# KiCad board Pico-ButtonBoard-v1.kicad_pcb (continued)
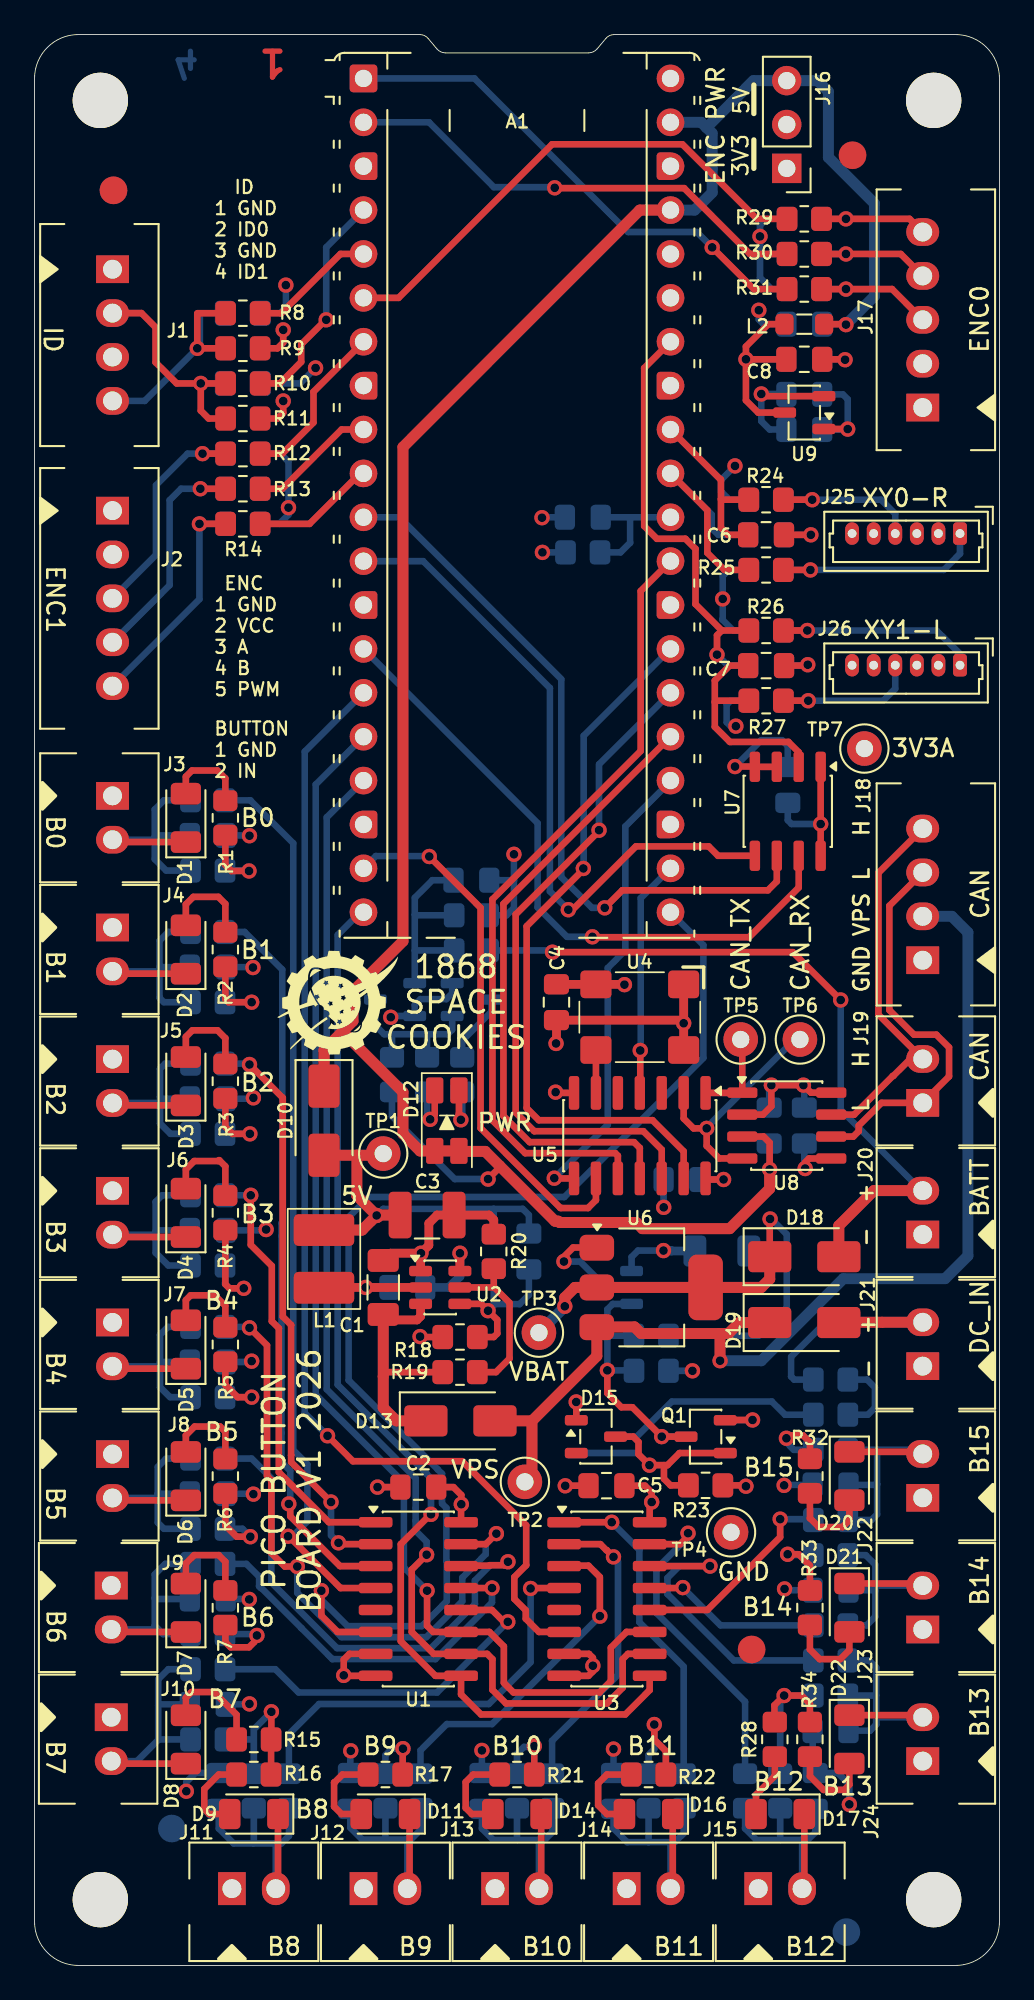
[diagram p0: board, top side]
## Library data of the parts (continued)
R1-R7 R9 R11 R15-R17 R21 R22 R28 R32-R37 R39 R42 R46 R55 R56 R58 R62 R63 R66 R68 R73 R75 R77 R79 R81 R83 R85 R87 = -: Description: Resistor, US symbol; MFG: YAGEO; MFG P/N: RC0805FR-071K5L; DIST: Digikey; DIST P/N: 311-1.50KCRCT-ND; ki_fp_filters: R_*
R8 R10 R38 R40 R41 R51 R52 R57 R64 R65 R67 R72 R74 R76 R78 R80 R82 R84 R86 = -: Description: Resistor, US symbol; MFG: Vishay Dale; MFG P/N: CRCW080510K0FKEA; DIST: Digikey; DIST P/N: 541-10.0KCCT-ND; ki_fp_filters: R_*
R12-R14 R24-R27 R29-R31 = -: Description: Resistor, US symbol; MFG: Stackpole; MFG P/N: RMCF0805FT49R9; DIST: Digikey; DIST P/N: RMCF0805FT49R9CT-ND; ki_fp_filters: R_*
R18 = -: Description: Resistor, US symbol; MFG: TE Connectivity Passive Product; MFG P/N: CRG0805F13K; DIST: Digikey; DIST P/N: A126339CT-ND; ki_fp_filters: R_*
R19 R47-R50 R59-R61 = -: Description: Resistor, US symbol; MFG: YAGEO; MFG P/N: RC0805FR-07100KL; DIST: Digikey; DIST P/N: 311-100KCRCT-ND; ki_fp_filters: R_*
R20 R23 R43-R45 R53 R54 R69-R71 = -: Description: Resistor, US symbol; MFG: Panasonic; MFG P/N: ERJ-6ENF2002V; DIST: Digikey; DIST P/N: P20.0KCCT-ND; ki_fp_filters: R_*
TP1-TP7 = -: Description: test point; ki_fp_filters: Pin* Test*
U1 U3 = -: Datasheet: Components/TexasInstruments-sn74hc151.pdf; Description: Multiplexer 8 to 1; MFG: Texas Instruments; DIST: Digikey; DIST P/N: 296-14834-1-ND; ki_fp_filters: DIP?16*
U2 = -: Datasheet: Components/TexasInstruments-tps54202.pdf; Description: 2A, 4.5 to 28V Input, EMI Friendly integrated switch synchronous step-down regulator, pulse-skipping, SOT-23-6; MFG: Texas Instruments; MFG P/N: TPS54202DDCT; DIST: Digikey; DIST P/N: 296-44151-1-ND; ki_fp_filters: SOT?23*
U4 = -: Datasheet: Components/Wurth-Oscillator-831018041.pdf; Description: XTAL OSC XO  4.0000MHZ HCMOS; MFG: Würth Elektronik; MFG P/N: 831018041; DIST: Digikey; DIST P/N: 1923-831018041CT-ND
U5 = -: Datasheet: Components/Microchip-MCP2518.pdf; Description: CAN FD Controller with SPI Interface, up to 8 Mbps, Vdd 2.7..5.5V,  functional safety ready, VDFN-14; MFG: Microchip; DIST: Digikey; DIST P/N: MCP2518FDT-H/SLCT-ND; ki_fp_filters: DFN*1EP*3x4.5mm*P0.65mm*
U6 = -: Datasheet: Components/infineon-its41k0s-me-n-01092012s-ds-en.pdf; Description: Power Switch/Driver 1:1 N-Channel 200mA PG-SOT223-4; MFG: Infineon; MFG P/N: ITS41K0SMENHUMA1; DIST: Digikey; DIST P/N: ITS41K0SMENHUMA1CT-ND
U7 = -: Datasheet: Components/Microchip-MCP3201.pdf; Description: 2.7V 12-Bit A/D Converter with SPI™ Serial Interface, PDIP-8/SOIC-8/MSOP-8/TSSOP-8; MFG: Microchip; DIST: Digikey; DIST P/N: MCP3201T-CI/SNCT-ND; ki_fp_filters: SOIC*3.9x4.9mm*P1.27mm* DIP*W7.62mm* TSSOP*4.4x3mm*P0.65mm* MSOP*3x3mm*P0.65mm*
U8 = -: Datasheet: Components/Microchip-MCP2558FD.pdf; Description: 1/1 Transceiver CANbus 8-SOIC; MFG: Microchip; MFG P/N: MCP2558FD-H/SN; DIST: Digikey; DIST P/N: MCP2558FD-H/SN-ND
U9 = -: Datasheet: Components/Microchip-MCP1700.pdf; Description: 250mA Low Quiscent Current LDO, 3.0V output, SOT-23; MFG: Microchip; DIST: Digikey; DIST P/N: MCP1700T3302ETTCT-ND; ki_fp_filters: SOT?23*

## Footprints (pads in the part's own frame, mm; a bottom-side part is the same pattern mirrored in y, then rotated)
Broadcom-HSMF-C158-LED
  rrect 1.5x1 smd: 1(-1.75,0.7) 2(1.75,0.7) 3(-1.75,-0.7) 4(1.75,-0.7)
C_0805_2012Metric_Pad1.18x1.45mm_HandSolder
  rrect 1.175x1.45 smd: 1(-1.038,0) 2(1.038,0)
C_1206_3216Metric_Pad1.33x1.80mm_HandSolder
  rrect 1.325x1.8 smd: 1(-1.562,0) 2(1.562,0)
C_1210_3225Metric_Pad1.33x2.70mm_HandSolder
  rrect 1.325x2.7 smd: 1(-1.562,0) 2(1.562,0)
Cyntec-MS6-Inductor
  rrect 1.84x3.5 smd: 1(-1.67,0) 2(1.67,0)
D_SMA
  rrect 2.5x1.8 smd: 1(-2,0) 2(2,0)
Fiducial_1.6mm_Mask3mm
  round 1.6 smd: (0,0)
L_0805_2012Metric_Pad1.05x1.20mm_HandSolder
  rrect 1.05x1.2 smd: 1(-1.15,0) 2(1.15,0)
LED_1206_3216Metric
  rrect 1.25x1.75 smd: 1(-1.4,0) 2(1.4,0)
Molex-70543-0001
  rect 1.6x1.905 hole 1.092: 1(0,0)
  oval 1.6x1.905 hole 1.092: 2(2.54,0)
Molex-70543-0003
  rect 1.6x1.905 hole 1.092: 1(0,0)
  oval 1.6x1.905 hole 1.092: 2(-2.54,0) 3(-5.08,0) 4(-7.62,0)
Molex-70543-0039
  rect 1.6x1.905 hole 1.092: 1(0,0)
  oval 1.6x1.905 hole 1.092: 2(-2.54,0) 3(-5.08,0) 4(-7.62,0) 5(-10.16,0)
Molex_PicoBlade_53047-0610_1x06_P1.25mm_Vertical
  rrect 0.8x1.3 hole 0.508: 1(0,0)
  oval 0.8x1.3 hole 0.508: 2(1.25,0) 3(2.5,0) 4(3.75,0) 5(5,0) 6(6.25,0)
MountingHole_3.2mm_M3
  round 3.2 hole 3.2 unplated: (0,0)
PinHeader_1x03_P2.54mm_Vertical
  rect 1.7x1.7 hole 1: 1(0,0)
  round 1.7 hole 1: 2(0,-2.54) 3(0,-5.08)
R_0805_2012Metric_Pad1.20x1.40mm_HandSolder
  rrect 1.2x1.4 smd: 1(-1,0) 2(1,0)
RaspberryPi_Pico_Common_Unspecified
  rrect 1.6x1.6 hole 1: 1(-8.89,24.13)
  round 1.6 hole 1: 2(-8.89,21.59) 4(-8.89,16.51) 5(-8.89,13.97) 6(-8.89,11.43) 7(-8.89,8.89) 9(-8.89,3.81) 10(-8.89,1.27) 11(-8.89,-1.27) 12(-8.89,-3.81) 14(-8.89,-8.89) 15(-8.89,-11.43) 16(-8.89,-13.97) 17(-8.89,-16.51) 19(-8.89,-21.59) 20(-8.89,-24.13) 21(8.89,-24.13) 22(8.89,-21.59) 24(8.89,-16.51) 25(8.89,-13.97) 26(8.89,-11.43) 27(8.89,-8.89) 29(8.89,-3.81) 30(8.89,-1.27) 31(8.89,1.27) 32(8.89,3.81) 34(8.89,8.89) 35(8.89,11.43) 36(8.89,13.97) 37(8.89,16.51) 39(8.89,21.59) 40(8.89,24.13)
  custom 1.6x1.6 hole 1: 3(-8.89,19.05) 8(-8.89,6.35) 13(-8.89,-6.35) 18(-8.89,-19.05) 23(8.89,-19.05) 28(8.89,-6.35) 33(8.89,6.35) 38(8.89,19.05)
SO-8_3.9x4.9mm_P1.27mm
  rrect 1.75x0.6 smd: 1(-2.575,1.905) 2(-2.575,0.635) 3(-2.575,-0.635) 4(-2.575,-1.905) 5(2.575,-1.905) 6(2.575,-0.635) 7(2.575,0.635) 8(2.575,1.905)
SO-14_3.9x8.65mm_P1.27mm
  rrect 1.95x0.6 smd: 1(-2.475,3.81) 2(-2.475,2.54) 3(-2.475,1.27) 4(-2.475,0) 5(-2.475,-1.27) 6(-2.475,-2.54) 7(-2.475,-3.81) 8(2.475,-3.81) 9(2.475,-2.54) 10(2.475,-1.27) 11(2.475,0) 12(2.475,1.27) 13(2.475,2.54) 14(2.475,3.81)
SOIC-16_3.9x9.9mm_P1.27mm
  rrect 1.95x0.6 smd: 1(-2.475,4.445) 2(-2.475,3.175) 3(-2.475,1.905) 4(-2.475,0.635) 5(-2.475,-0.635) 6(-2.475,-1.905) 7(-2.475,-3.175) 8(-2.475,-4.445) 9(2.475,-4.445) 10(2.475,-3.175) 11(2.475,-1.905) 12(2.475,-0.635) 13(2.475,0.635) 14(2.475,1.905) 15(2.475,3.175) 16(2.475,4.445)
SOT-23-3
  rrect 1.325x0.6 smd: 1(-1.137,0.95) 2(-1.137,-0.95) 3(1.137,0)
SOT-23-6
  rrect 1.325x0.6 smd: 1(-1.137,0.95) 2(-1.137,0) 3(-1.137,-0.95) 4(1.137,-0.95) 5(1.137,0) 6(1.137,0.95)
SOT-223-3_TabPin2
  rrect 2x1.5 smd: 1(-3.15,2.3) 2(-3.15,0) 3(-3.15,-2.3)
  rrect 2x3.8 smd: 2(3.15,0)
TestPoint_Keystone_5000-5004_Miniature
  round 2 hole 1: 1(0,0)
Wurth-CFPS-73
  rrect 1.8x1.6 smd: 1(-2.54,-1.9) 2(2.54,-1.9) 3(2.54,1.9) 4(-2.54,1.9)

## Nets
+3V3: A1.36 C2.1 C4.1 C5.1 C17.1 C23.1 J16.1 R1.1 R2.1 R3.1 R4.1 R5.1 R6.1 R7.1 R9.1 R11.1 R15.1 R16.1 R17.1 R21.1 R22.1 R28.1 R32.1 R33.1 R34.1 R37.1 R39.1 R42.1 R46.1 R55.1 R56.1 R58.1 R66.1 R68.1 R73.1 R75.1 R77.1 R79.1 R81.1 R83.1 R85.1 R87.1 U1.16 U3.16 U4.1 U4.4 U5.14 U8.5
+3V3A: A1.35 C15.1 C16.1 C18.1 J25.2 J25.5 J26.2 J26.5 TP7.1 U7.1 U7.8 U9.2
+5V: A1.37 A1.39 C13.1 C19.1 D10.1 D12.1 D12.3 J16.3 L2.1 R65.2 U8.3
/Power Supply/5V_PS: C3.1 C26.1 D10.2 L1.2 R59.1 TP1.1
GND: A1.3 A1.8 A1.13 A1.18 A1.23 A1.28 A1.33 A1.38 C1.2 C2.2 C3.2 C4.2 C5.2 C6.2 C7.2 C8.2 C9.2 C10.2 C11.2 C12.2 C13.2 C14.2 C15.2 C16.2 C17.2 C18.2 C19.2 C20.2 C21.2 C22.2 C23.2 C24.2 C25.2 C27.2 C28.2 C30.2 C31.2 C32.2 C33.2 C34.2 C35.2 C36.2 C37.2 C38.2 C39.2 C40.2 C41.2 D15.1 D23.1 J1.1 J1.3 J2.1 J3.1 J4.1 J5.1 J6.1 J7.1 J8.1 J9.1 J10.1 J11.1 J12.1 J13.1 J14.1 J15.1 J17.1 J18.1 J20.1 J21.1 J22.1 J23.1 J24.1 J25.3 J25.6 J26.3 J26.6 Q1.2 Q2.2 Q3.2 Q4.2 R18.2 R20.2 R23.1 R43.1 R44.1 R45.1 R47.1 R48.1 R49.1 R50.1 R54.1 R60.2 R69.1 R70.1 R71.1 TP4.1 U1.7 U1.8 U2.1 U3.7 U3.8 U4.2 U5.7 U7.3 U7.4 U8.2 U8.8 U9.1
/BUTTON_DA: A1.21 U1.6
/BUTTON_DB: A1.15 U3.6
/BUTTON_S0: A1.16 U1.11 U3.11
/BUTTON_S1: A1.17 U1.10 U3.10
/BUTTON_S2: A1.20 U1.9 U3.9
/CAN_H: J18.4 J19.2 U8.7
/CAN_L: J18.3 J19.1 U8.6
/CANRX: TP6.1 U5.2 U8.4
/CANTX: TP5.1 U5.1 U8.1
/ENC0_A: A1.1 R31.1
/ENC0_B: A1.2 R30.1
/ENC0_PWM: A1.6 R29.1
/ENC1_A: A1.7 R12.1
/ENC1_B: A1.9 R13.1
/ENC1_PWM: A1.10 R14.1
/Encoder Inputs/ENC_VCC: J2.2 J16.2 J17.2
/ID0: A1.4 R10.2
/ID1: A1.5 R8.2
/Power Supply/+V_BAT: D18.2 J20.2 R61.1
/Power Supply/+V_DC: D19.2 J21.2 R35.2
/SPI0_MISO: A1.26 U5.12
/SPI0_MOSI: A1.25 U5.11
/SPI0_SCK: A1.29 U5.10
/SPI1_MISO: A1.11 U7.6
/SPI1_SCK: A1.14 U7.7
/V_PS: D13.2 D19.1 J18.2 TP2.1 U6.3
/X0_ADC: A1.31 C20.1 R25.1
/X1_ADC: A1.34 C21.1 R26.1
/Y0_ADC: A1.32 C6.1 R24.1
/~{ADC_CS}: A1.12 U7.5
/~{CAN_IRQ}: A1.22 U5.4
/~{CAN_RX_IRQ}: A1.24 U5.8
/~{CAN_TX_IRQ}: A1.19 U5.9
/~{SPI0_CS}: A1.27 U5.13
Net-(A1-RUN): A1.30 C25.1 R56.2
Net-(D1-A): D1.2 R1.2
Net-(D1-K): C34.1 D1.1 J3.2 R72.1 R73.2
Net-(D2-A): D2.2 R2.2
Net-(D2-K): C35.1 D2.1 J4.2 R74.1 R75.2
Net-(D3-A): D3.2 R3.2
Net-(D3-K): C36.1 D3.1 J5.2 R76.1 R77.2
Net-(D4-A): D4.2 R4.2
Net-(D4-K): C37.1 D4.1 J6.2 R78.1 R79.2
Net-(D5-A): D5.2 R5.2
Net-(D5-K): C38.1 D5.1 J7.2 R80.1 R81.2
Net-(D6-A): D6.2 R6.2
Net-(D6-K): C39.1 D6.1 J8.2 R82.1 R83.2
Net-(D7-A): D7.2 R7.2
Net-(D7-K): C40.1 D7.1 J9.2 R84.1 R85.2
Net-(D8-A): D8.2 R15.2
Net-(D8-K): C41.1 D8.1 J10.2 R86.1 R87.2
Net-(D9-A): D9.2 R16.2
Net-(D9-K): C33.1 D9.1 J11.2 R67.1 R68.2
Net-(D11-A): D11.2 R17.2
Net-(D11-K): C30.1 D11.1 J12.2 R64.1 R66.2
Net-(D12A-KG): D12.2 R63.1
Net-(D12B-KY): D12.4 R62.1
Net-(D13-K): C1.1 D13.1 R19.2 U2.3
Net-(D14-A): D14.2 R21.2
Net-(D14-K): C27.1 D14.1 J13.2 R57.1 R58.2
Net-(D15-K): D15.3 D24.1 Q1.1 R23.2
Net-(D16-A): D16.2 R22.2
Net-(D16-K): C24.1 D16.1 J14.2 R52.1 R55.2
Net-(D17-A): D17.2 R28.2
Net-(D17-K): C12.1 D17.1 J15.2 R46.2 R51.1
Net-(D18-K): C22.1 D18.1 R53.2 TP3.1 U6.2
Net-(D20-A): D20.2 R32.2
Net-(D20-K): C9.1 D20.1 J22.2 R37.2 R38.1
Net-(D21-A): D21.2 R33.2
Net-(D21-K): C10.1 D21.1 J23.2 R39.2 R40.1
Net-(D22-A): D22.2 R34.2
Net-(D22-K): C11.1 D22.1 J24.2 R41.1 R42.2
Net-(D23-K): D23.3 Q1.3 Q2.1 R53.1 R54.2
Net-(D24-K): D24.3 R36.1
Net-(J1-Pin_2): C32.1 J1.2 R10.1 R11.2
Net-(J1-Pin_4): C31.1 J1.4 R8.1 R9.2
Net-(J2-Pin_3): J2.3 R12.2 R69.2
Net-(J2-Pin_4): J2.4 R13.2 R70.2
Net-(J2-Pin_5): J2.5 R14.2 R71.2
Net-(J17-Pin_3): J17.3 R31.2 R45.2
Net-(J17-Pin_4): J17.4 R30.2 R44.2
Net-(J17-Pin_5): J17.5 R29.2 R43.2
Net-(J25-Pin_1): J25.1 R25.2 R48.2
Net-(J25-Pin_4): J25.4 R24.2 R47.2
Net-(J26-Pin_1): J26.1 R26.2 R49.2
Net-(J26-Pin_4): J26.4 R27.2 R50.2
Net-(Q2-D): Q2.3 U6.1
Net-(Q3-D): Q3.3 R62.2
Net-(Q3-G): Q3.1 Q4.3 R63.2 R65.1
Net-(Q4-G): C28.1 Q4.1 R60.1 R61.2
Net-(R35-Pad1): R35.1 R36.2
Net-(U1-I0): R72.2 U1.4
Net-(U1-I1): R74.2 U1.3
Net-(U1-I2): R76.2 U1.2
Net-(U1-I3): R78.2 U1.1
Net-(U1-I4): R80.2 U1.15
Net-(U1-I5): R82.2 U1.14
Net-(U1-I6): R84.2 U1.13
Net-(U1-I7): R86.2 U1.12
Net-(U2-BOOT): C29.1 U2.6
Net-(U2-EN): R19.1 R20.1 U2.5
Net-(U2-FB): C26.2 R18.1 R59.2 U2.4
Net-(U2-SW): C29.2 L1.1 U2.2
Net-(U3-I0): R67.2 U3.4
Net-(U3-I1): R64.2 U3.3
Net-(U3-I2): R57.2 U3.2
Net-(U3-I3): R52.2 U3.1
Net-(U3-I4): R51.2 U3.15
Net-(U3-I5): R41.2 U3.14
Net-(U3-I6): R40.2 U3.13
Net-(U3-I7): R38.2 U3.12
Net-(U4-OUT): U4.3 U5.6
Net-(U7-IN+): C7.1 R27.1 U7.2
Net-(U9-VI): C8.1 C14.1 L2.2 U9.3

Pads without a net: A1 40; D15 2; D23 2; D24 2; U1 5; U3 5; U5 3 5

## Via types
v1: diameter 0.889, hole 0.508, Top to Bottom, 141 vias

## Routing (per net, layer and track width the routed paths; a pad name or vN(x,y) marks a point on that pad's centre or on a via; arc(x,y) is an arc through that point)
+3V3: length 110
  Top w0.381: R33.1 44.9,23.14 44.25,23.8 v1(43.61,23.8) ; C5.1 35.35,27.77 35.74,27.38 v1(35.74,26.82) 35.62,26.71 U3.16 ; R28.1 42.85,14.11 42.85,15.06 v1(43.41,15.62) 44.42,15.62 44.9,15.14 R34.1 ; R5.1 11.05,33.6 11.76,32.89 v1(12.57,32.89) ; v1(21.34,12.55) 21.32,12.53 R17.1 ; v1(13.72,14.68) 13.72,13.1 R15.1 R16.1 ; R4.1 11.05,39.43 11.29,39.19 v1(12.12,39.19) ; v1(14.4,94.67) 14.4,93.93 14.07,93.6 R9.1 ; v1(12.47,48.13) 11.46,48.13 11.05,48.54 R3.1 ; R1.1 11.05,63.7 11.4,63.35 v1(12.42,63.35) ; R22.1 36.56,12.41 35.89,13.08 v1(35.89,13.94) ; v1(39.9,45.49) 38.92,45.49 U5.14 ; R6.1 11.05,25.48 11.71,24.82 v1(12.5,24.82) ; U1.16 24.7,26.68 v1(24.71,26.7) 24.71,27.23 24.26,27.69 C2.1 ; v1(44.63,46.13) 44.63,46.48 44.85,46.71 46.14,46.71 ; R32.1 44.9,30.28 44.5,30.68 43.71,30.68 v1(43.54,30.51) ; 30.23,53.39 v1(30.2,53.37) ; v1(28.94,12.69) R21.1 ; v1(12.88,19.1) 12.73,18.95 12.73,18.72 12.42,18.41 11.35,18.41 11.05,18.72 R7.1 ; v1(12.57,55.75) 11.23,55.75 11.05,55.93 R2.1 ; R11.1 14.07,89.53 14.4,89.87 v1(14.4,90.55) ; 37.41,54.72 v1(37.59,54.53)
  Top w0.508: 30.23,53.39 C4.1 37.41,54.72 ; U4.4 v1(37.59,54.53) U4.1
  Bottom w0.381: R46.1 43.18,15.39 v1(43.41,15.62) R42.1 ; R83.1 12.04,25.27 v1(12.5,24.82) ; R66.1 20.32,12.17 20.7,12.55 v1(21.34,12.55) ; R77.1 v1(12.47,48.13) ; v1(12.42,63.35) 12.4,63.37 R73.1 ; v1(43.61,23.8) 43.66,23.75 R39.1 ; R79.1 11.03,39.45 11.29,39.19 v1(12.12,39.19) ; C23.1 38.51,45.49 v1(39.9,45.49) ; v1(35.89,13.94) 35.89,12.52 35.56,12.19 R55.1 ; R85.1 12.8,19.18 v1(12.88,19.1) ; v1(13.72,14.68) 12.7,13.67 12.7,13.11 ; v1(44.63,46.13) 44.58,46.18 C17.1 ; 12.7,13.11 12.67,13.08 R87.1 ; 12.7,13.11 R68.1 ; R37.1 43.97,29.84 43.54,30.27 v1(43.54,30.51) ; R56.1 v1(29.41,81.79) ; R75.1 v1(12.57,55.75) ; R81.1 v1(12.57,32.89) ; v1(28.94,12.69) 28.9,12.65 28.35,12.65 27.94,12.24 R58.1
+3V3A: length 16.5
  Top w0.381: U7.8 v1(45.53,66.07) U7.1 ; U9.2 42.22,90.83 v1(42.09,90.96)
  Bottom w0.381: C15.1 43.51,90.96 v1(42.09,90.96) 42.09,89.38 42.57,88.9 C16.1 ; v1(45.53,66.07) 43.84,66.07 43.62,66.29 C18.1
+5V: length 142.6
  Top w0.381: 26.93,46.29 26.93,46.18 v1(26.26,45.52) ; v1(46.99,94.97) 46.96,95 L2.1 ; v1(42.57,46.08) 42.57,47.62 42.22,47.98 U8.3
  Top w0.635: D10.1 16.76,52.98 17.83,54.05 ; v1(42.57,46.08) 42.57,44.96 40.26,42.65 35.2,42.65 34.85,43 30.4,43 30.33,43.08 30.14,43.08 26.1,47.12 24.6,47.12 24.58,47.14 D12.1 22.32,47.14 21.34,48.13 21.34,50.55 17.83,54.05 ; 17.83,54.05 18.44,54.66 18.44,56.39 21.34,59.28 21.34,87.88 35.05,101.6 36.83,101.6
  Bottom w0.381: v1(46.99,94.97) 46.96,95 C13.1 ; R65.2 20.7,49.15 24.33,45.52 v1(26.26,45.52) ; C19.1 42.57,47.55 v1(42.57,46.08)
  Bottom w0.635: 36.83,106.68 38.61,106.68 38.91,106.38 ; 38.91,106.38 39.24,106.04 39.24,102.62 38.23,101.6 36.83,101.6 ; 38.91,106.38 41.63,109.09 J16.3 45.34,109.09 45.97,108.46 45.97,104.65 48.64,101.98 48.64,96.62 v1(46.99,94.97)
/Power Supply/5V_PS: length 23.8
  Top w0.635: v1(19.81,43.41) 19.84,43.43 C3.1 ; v1(19.81,43.41) 18.97,42.56 L1.2 ; v1(19.81,43.41) 18.67,44.55 18.67,46.89 ; D10.2 18.67,46.89 ; 18.67,46.89 20.1,46.89 TP1.1
  Bottom w0.381: v1(19.81,43.41) 20.19,43.79 26.59,43.79 ; 26.59,43.79 28.27,43.79 28.63,43.43 C26.1 ; 26.59,43.79 R59.1
GND: length 153.4
  Top w0.381: C5.2 30.74,27.77 v1(30.73,27.76) ; C7.2 44.73,75.23 v1(44.78,75.29) ; v1(31.37,32.61) 31.37,32.61 D15.1 ; C2.2 v1(19.86,27.69) ; 46.14,50.52 44.96,50.52 v1(44.53,50.95) v1(42.67,50.95) 42.67,49.73 42.19,49.25 U8.2 ; R23.1 41.15,27.79 v1(41.2,27.74) ; U9.1 47.09,88.93 v1(47.09,88.93) ; 30.23,56.79 C4.2 ; v1(22.33,36.4) 22.35,36.37 R18.2 ; v1(30.18,50.55) 30.22,50.5 U5.7 ; C6.2 v1(44.96,82.8) ; Q1.2 40.01,31.57 v1(41.58,31.57) ; 30.67,16.76 32.08,16.76 32.33,17.02 v1(32.33,17.35) 32.33,17.81 32.11,18.03 U3.7 ; U7.3 U7.4 41.7,69.39 v1(40.56,69.39) ; U1.7 18.24,18.03 17.91,17.7 v1(17.91,16.79) 17.93,16.76 19.75,16.76 ; 34.15,56.79 v1(34.16,56.77) ; v1(46.94,92.94) 46.91,92.96 C8.2
  Top w0.508: C1.2 20.61,41.22 v1(22.38,41.22) ; R20.2 26.59,43.15 26.31,43.43 C3.2 23.32,43.43 22.83,42.95 22.83,41.68 v1(22.38,41.22) ; 34.15,56.79 U4.2 30.23,56.79 ; v1(22.38,41.22) 22.36,41.2 U2.1
  Bottom w0.381: C19.2 42.54,50.83 v1(42.67,50.95) ; C25.2 29.41,83.82 v1(29.39,83.79) ; C17.2 44.58,50.9 v1(44.53,50.95) ; C34.2 12.43,65.41 v1(12.45,65.39) ; R45.1 42.67,97.03 42.01,97.69 v1(42.01,100.08) ; R70.1 14.68,85.47 14.71,85.45 ; Q2.2 34.57,41 34.95,41.38 v1(36.42,41.38) ; C27.2 v1(25.91,12.45) ; v1(18.31,12.42) 18.29,12.4 C30.2 ; C40.2 12.41,21.21 v1(12.43,21.19) ; C16.2 47.07,88.9 v1(47.09,88.93) 47.09,90.65 46.81,90.93 C15.2 ; v1(12.67,27.28) 12.65,27.31 C39.2 ; R43.1 42.39,101.09 42.01,100.71 v1(42.01,100.08) ; Q3.2 24.19,56.27 23.85,55.93 22.35,55.93 22.02,55.6 Q4.2 20.7,54.96 v1(20.63,54.88) ; 14.71,85.45 v1(14.71,84.38) 14.71,83.97 14.17,83.44 R71.1 ; 14.71,85.45 14.71,87.05 14.25,87.5 R69.1 ; C18.2 43.62,70.58 43.28,70.92 42.09,70.92 v1(40.56,69.39) ; v1(16.28,92.46) 15.38,91.57 C32.2 ; C9.2 43.43,27.81 v1(43.41,27.79) ; R60.2 27.33,60.78 27.76,61.21 27.76,62.81 ; v1(41.94,95.8) 41.94,95.27 42.21,95 C13.2 ; v1(42.01,100.08) 42.01,99.16 42.11,99.06 R44.1 ; C36.2 12.62,50.16 v1(12.67,50.22) ; v1(38.1,34.42) R54.1 ; C8.2 46.91,92.96 v1(46.94,92.94) ; C10.2 43.51,21.72 v1(43.43,21.79) ; C31.2 14.22,95.63 14.55,95.96 v1(14.55,97.26) ; v1(8.79,10.08) 8.79,10.62 9.31,11.14 C33.2 ; 27.76,62.81 v1(27.76,64.31) ; 27.76,62.81 C28.2 ; C24.2 v1(33.53,12.52) ; v1(41.58,31.57) 41.56,31.56 Q1.2 ; v1(40.61,71.73) 40.31,71.73 40.08,71.96 40.08,72.97 40.31,73.2 R50.1 ; C38.2 12.52,34.92 v1(12.57,34.98) ; C11.2 45.06,12.22 45.06,12.22 45.08,12.22 45.21,12.09 C12.2 46.52,11.14 47.19,10.47 v1(47.19,9.32) ; R48.1 40.21,80.77 39.85,80.42 v1(39.85,79.1) 39.85,77.93 39.83,77.9 40.46,77.27 R49.1 ; v1(13.41,42.6) 13.36,42.54 C37.2 ; C35.2 12.62,57.78 v1(12.65,57.76) ; C23.2 36.43,43.89 v1(36.44,43.88) ; v1(12.45,15.14) 12.42,15.11 C41.2 ; v1(40.56,86.79) 39.75,85.98 39.75,85.32 40.23,84.84 R47.1 ; v1(44.78,75.29) 44.73,75.23 C7.2 ; C6.2 v1(44.96,82.8)
  Bottom w0.508: C22.2 36.88,41.35 36.86,41.38 v1(36.42,41.38)
/BUTTON_DA: length 72.2
  Top w0.381: U1.6 17.55,19.3 16.61,20.24 v1(16.61,21.69)
  Bottom w0.381: 36.83,60.96 38.73,59.05 38.73,52.53 30.68,44.48 19.36,44.48 18.19,43.31 18.19,33.88 23.34,28.72 23.34,28.71 23.6,28.46 23.6,26.73 23.85,26.48 23.85,23.4 23.87,23.38 23.87,21.08 22.43,19.64 18.13,19.64 16.61,21.16 v1(16.61,21.69)
/BUTTON_DB: length 67.1
  Top w0.381: v1(16.97,30.66) 18.44,29.18 24.76,29.18 28.47,25.48 28.47,23.16 27.79,22.48 27.79,21.21 28.45,20.55 28.45,20.07 29.21,19.3 U3.6
  Bottom w0.381: A1.15 15.65,70.26 15.65,31.98 v1(16.97,30.66)
/BUTTON_S0: length 73.6
  Top w0.381: U3.11 34.28,19.3 33.38,18.4 33.38,16.46 32.72,15.8 27.74,15.8 27.18,16.36 27.18,18.47 26.34,19.3 U1.11 23.09,19.3 22.73,19.66 22.73,21.69 v1(22.73,21.69)
  Bottom w0.381: A1.16 16.28,68.35 16.28,33.04 21.39,27.94 21.39,23.04 v1(22.73,21.69)
/BUTTON_S1: length 71.6
  Top w0.381: U3.10 34.37,18.03 34.06,17.73 34.06,16.08 33.15,15.16 27.3,15.16 26.52,15.95 26.52,17.73 26.21,18.03 U1.10 23.11,18.03 21.84,19.3 21.84,22.91 v1(22.71,23.77)
  Bottom w0.381: v1(22.71,23.77) 22.71,24.52 22.07,25.16 22.07,25.74 22.07,25.74 22.07,26.48 22.07,26.48 22.07,28.19 16.92,33.35 16.92,66.45 A1.17
/BUTTON_S2: length 64.1
  Top w0.381: v1(22.96,26.11) 22.94,26.11 21.21,24.38 21.21,18.77 23.22,16.76 24.7,16.76 24.7,15.69 25.86,14.53 34.21,14.53 35.62,15.94 35.62,16.76
  Bottom w0.381: v1(22.96,26.11) 22.96,26.11 22.96,28.19 22.71,28.45 22.71,28.46 17.55,33.61 17.55,59.64 18.87,60.96 A1.20
/CAN_H: length 22.1
  Top w0.381: 46.14,49.25 47.47,49.25 49.71,51.49 49.73,51.49 50.71,52.47 J19.2 48.87,55.03 48.87,63.24 J18.4
/CAN_L: length 23.2
  Top w0.381: J18.3 49.51,61.33 49.51,55.3 50.93,53.87 52.22,53.87 52.96,53.14 52.96,51.45 J19.1 49.05,49.93 47.73,48.61 47.73,48.29 47.42,47.98 46.14,47.98
/CANRX: length 14
  Top w0.381: U8.4 40.69,46.71 40.69,46.71 39.65,46.71 38.93,47.43 v1(38.93,48.45) 38.16,48.45 37.59,49.02 U5.2
  Bottom w0.381: TP6.1 44.02,53.59 38.93,48.5 v1(38.93,48.45)
/CANTX: length 5.2
  Top w0.381: TP5.1 40.99,53.5 U8.1 40.97,50.5 U5.1
/ENC0_A: length 29.6
  Top w0.381: v1(39.24,99.44) 41.66,97.03 R31.1
  Bottom w0.381: v1(39.24,99.44) 38.35,100.33 34.37,100.33 25.48,109.22 A1.1
/ENC0_B: length 27.7
  Top w0.381: v1(30.12,102.89) 30.14,102.87 37.62,102.87 41.43,99.06 R30.1
  Bottom w0.381: v1(30.12,102.89) 30.09,102.93 26.6,102.93 22.85,106.68 A1.2
/ENC0_PWM: length 30.2
  Top w0.381: R29.1 41.83,101.09 37.52,105.41 29.97,105.41 21.08,96.52 A1.6
  Bottom w0.381: A1.6 19.23,96.52
/ENC1_A: length 9.7
  Top w0.381: R12.1 14.35,87.5 16.15,89.31 16.15,91.08 A1.7
/ENC1_B: length 7.4
  Top w0.381: A1.9 17.78,88.9 14.35,85.47 R13.1
/ENC1_PWM: length 7.2
  Top w0.381: A1.10 18.85,86.36 15.93,83.44 R14.1
/ID0: length 13.2
  Top w0.381: R10.2 14.2,91.57 15.44,92.81 15.44,93.83 16.87,95.25 v1(16.89,95.25)
  Bottom w0.381: v1(16.89,95.25) 16.89,99.44 A1.4
/ID1: length 7.4
  Top w0.381: R8.2 14.29,95.63 17.72,99.06 A1.5
/Power Supply/+V_BAT: length 42.1
  Top w0.381: v1(30,58.65) 43.92,58.65 v1(46.69,55.88)
  Top w0.635: D18.2 46.58,42.82 48.61,44.85 J20.2
  Bottom w0.381: v1(30,58.65) 29.9,58.75 R61.1 ; J20.2 51.37,44.85 46.69,49.53 v1(46.69,55.88)
/Power Supply/+V_DC: length 15.8
  Top w0.635: J21.2 46.59,37.23 D19.2
  Bottom w0.381: R35.2 43.99,33.91 43.81,34.09 43.81,35.23 45.81,37.23 J21.2
/SPI0_MISO: length 39
  Top w0.381: v1(32.69,65.71) 32.69,65.66 27.86,60.83 27.86,49.36 28.94,48.29 35.25,48.29 36.32,47.22 U5.12
  Bottom w0.381: v1(32.69,65.71) 32.69,69.52 36.83,73.66
/SPI0_MOSI: length 36.4
  Top w0.381: U5.11 35.05,47.32 34.72,47.65 28.68,47.65 27.15,49.17 27.15,61.44 36.83,71.12
/SPI0_SCK: length 46.1
  Top w0.381: 36.83,81.28 35.1,79.55 35.1,70.29 26.52,61.71 26.52,48.91 28.41,47.01 33.63,47.01 33.78,46.86 U5.10
/SPI1_MISO: length 42.1
  Top w0.381: v1(33.02,61.21) 34.04,62.23 42.47,62.23 42.99,62.75 U7.6
  Bottom w0.381: A1.11 21.13,83.82 30.51,74.45 30.51,62.99 32.28,61.21 v1(33.02,61.21)
/SPI1_SCK: length 38
  Top w0.381: U7.7 44.26,62.39 41.38,59.51 32.33,59.51 v1(32.31,59.54)
  Bottom w0.381: v1(32.31,59.54) 30.84,59.54 29.13,61.24 29.13,66.12 A1.14
/V_PS: length 63.4
  Top w0.635: v1(39.7,35) 39.7,36.55 39.67,36.58 ; D19.1 40.82,37.21 40.18,36.58 39.67,36.58 ; 39.67,36.58 35.13,36.58 34.75,36.96 32.58,36.96 U6.3 32.56,35.27 28.81,31.52 ; TP2.1 28.8,28.4 28.8,31.51 28.81,31.52 ; 28.81,31.52 D13.2
  Bottom w0.635: v1(39.7,35) 42.09,35 46.84,39.75 52.73,39.75 54.05,41.07 54.05,59.79 53.12,60.72 J18.2
/X0_ADC: length 14.7
  Top w0.381: 36.83,86.36 38.96,84.23 38.96,81.76 39.95,80.77 R25.1
  Bottom w0.381: C20.1 39.6,82.8 39.22,83.18 39.22,83.97 36.83,86.36
/X1_ADC: length 25.3
  Top w0.381: 36.83,93.98 35.31,92.46 35.31,83.31 36.04,82.58 37.69,82.58 38.28,81.99 38.28,78.79 39.8,77.27 ; 39.8,77.27 R26.1 ; 39.8,77.27 39.52,76.99 v1(39.52,75.87)
  Bottom w0.381: C21.1 40.16,75.23 v1(39.52,75.87)
/Y0_ADC: length 10.3
  Top w0.381: 39.75,84.86 39.78,84.84 R24.1 ; 39.75,84.86 39.75,83.21 40.16,82.8 C6.1 ; 39.75,84.86 39.75,86 39.73,86 36.83,88.9
/~{ADC_CS}: length 39.7
  Top w0.381: v1(30.91,61.11) 31.16,61.11 34.82,64.77 39.04,64.77 39.58,64.23 U7.5
  Bottom w0.381: A1.12 22.5,81.28 29.84,73.94 29.84,62.17 v1(30.91,61.11)
/~{CAN_IRQ}: length 13.7
  Top w0.381: U5.4 35.08,50.53 v1(35.08,52.96)
  Bottom w0.381: 36.83,63.5 35.1,61.77 35.1,52.98 v1(35.08,52.96)
/~{CAN_RX_IRQ}: length 26.9
  Top w0.381: v1(30.1,45.57) 30.11,45.55 U5.8
  Bottom w0.381: 36.83,68.58 36.83,68.54 34.21,65.92 34.21,58.75 33.2,57.73 33.2,48.67 v1(30.1,45.57)
/~{CAN_TX_IRQ}: length 31.1
  Top w0.381: v1(22.86,64.19) 25.83,61.21 25.83,48.46 30.45,43.84 32.05,43.84 32.51,44.3 U5.9
  Bottom w0.381: A1.19 19.76,64.21 22.83,64.21 v1(22.86,64.19)
/~{SPI0_CS}: length 41.7
  Top w0.381: v1(31.78,63.49) 31.78,63.43 28.5,60.15 28.5,49.63 29.2,48.92 35.79,48.92 37.59,47.12 U5.13
  Bottom w0.381: 36.83,76.2 31.8,71.17 31.8,63.51 v1(31.78,63.49)
Net-(A1-RUN): length 7.5
  Bottom w0.381: R56.2 33.93,81.79 34.49,82.35 34.49,83.82 ; 34.49,83.82 C25.1 ; 34.49,83.82 36.83,83.82
Net-(D1-A): length 4.9
  Top w0.381: D1.2 8.76,68.81 9.12,69.16 10.59,69.16 11.05,68.71 R1.2
Net-(D1-K): length 16.3
  Top w0.381: J3.2 4.65,65.02 D1.1
  Bottom w0.381: 6.96,65.33 6.96,66.9 7.49,67.44 R72.1 ; 6.96,65.33 7.04,65.41 C34.1 ; 6.96,65.33 6.96,65.13 ; 6.96,65.13 6.96,64.03 7.62,63.37 R73.2 ; 6.96,65.13 6.93,65.16 J3.2
Net-(D2-A): length 5.5
  Top w0.381: D2.2 8.76,61.42 9.19,61.85 10.64,61.85 11.05,61.44 R2.2
Net-(D2-K): length 16
  Top w0.381: J4.2 4.65,57.4 D2.1
  Bottom w0.381: C35.1 7.24,57.78 ; 7.24,57.78 7.24,59.31 7.75,59.82 R74.1 ; 7.24,57.78 7.24,57.56 ; 7.24,57.56 7.22,57.54 J4.2 ; 7.24,57.56 7.24,56.01 7.49,55.75 R75.2
Net-(D3-A): length 5.3
  Top w0.381: D3.2 8.76,53.75 9.14,54.13 10.59,54.13 11.05,53.67 R3.2
Net-(D3-K): length 15.9
  Top w0.381: J5.2 4.65,49.78 D3.1
  Bottom w0.381: R76.1 7.57,52.2 7.26,51.89 7.26,50.27 ; 7.26,49.94 7.24,49.92 J5.2 ; 7.26,49.94 7.26,50.27 ; 7.26,49.94 7.26,48.74 7.87,48.13 R77.2 ; 7.26,50.27 7.37,50.16 C36.1
Net-(D4-A): length 5.5
  Top w0.381: R4.2 11.05,46.25 10.69,46.61 10.64,46.56 9.25,46.56 8.76,46.08 D4.2
Net-(D4-K): length 16.3
  Top w0.381: J6.2 4.65,42.16 D4.1
  Bottom w0.381: R78.1 7.39,44.58 7.01,44.2 7.01,42.49 ; C37.1 7.06,42.54 7.01,42.49 ; 7.01,42.49 7.01,42.21 ; 7.01,42.21 6.93,42.3 J6.2 ; 7.01,42.21 7.01,41.25 7.75,40.51 R79.2
Net-(D5-A): length 5.1
  Top w0.381: D5.2 8.76,38.51 9.04,38.79 10.44,38.79 11.05,38.18 R5.2
Net-(D5-K): length 15.8
  Top w0.381: D5.1 4.65,34.54 J7.2
  Bottom w0.381: C38.1 7.26,34.92 ; 7.26,34.92 7.26,34.72 ; 7.26,34.92 7.26,36.5 7.72,36.96 R80.1 ; J7.2 7.22,34.68 7.26,34.72 ; 7.26,34.72 7.26,33.45 7.29,33.45 7.85,32.89 R81.2
Net-(D6-A): length 5.2
  Top w0.381: R6.2 11.05,30.89 10.74,31.19 9.27,31.19 8.76,30.68 D6.2
Net-(D6-K): length 16.2
  Top w0.381: J8.2 4.65,26.92 D6.1
  Bottom w0.381: R82.1 7.62,29.34 7.14,28.85 7.14,27.31 ; 7.14,27 7.08,27.06 J8.2 ; 7.14,27 7.14,27.31 ; 7.14,27 7.14,25.63 7.49,25.27 R83.2 ; 7.14,27.31 C39.1
Net-(D7-A): length 5.5
  Top w0.381: R7.2 11.05,23.37 10.67,23.75 9.25,23.75 8.76,23.27 D7.2
Net-(D7-K): length 17
  Top w0.381: D7.1 4.59,19.3 J9.2
  Bottom w0.381: 6.96,21.26 6.96,19.66 ; 6.96,21.26 6.96,22.63 7.57,23.24 R84.1 ; 6.96,21.26 7.01,21.21 C40.1 ; 6.96,19.66 7.44,19.18 R85.2 ; 6.96,19.66 7.16,19.46 7.15,19.45 J9.2
Net-(D8-A): length 6.1
  Top w0.381: D8.2 8.76,15.49 9.09,15.82 10.39,15.82 11.7,14.51 R15.2
Net-(D8-K): length 16.9
  Top w0.381: D8.1 4.59,11.68 J10.2
  Bottom w0.381: 7.19,13.08 7.16,13.11 7.16,15.06 ; 7.19,13.08 R87.2 ; 7.19,13.08 5.93,11.83 J10.2 ; 7.16,15.06 7.21,15.11 C41.1 ; 7.16,15.06 7.16,16.56 7.75,17.14 R86.1
Net-(D9-A): length 5
  Top w0.381: R16.2 10.67,11.05 9.83,10.21 9.83,9.04 10.11,8.76 D9.2
Net-(D9-K): length 16.4
  Top w0.381: D9.1 14.1,4.57 J11.2
  Bottom w0.381: J11.2 13.97,7.01 13.92,7.06 ; 12.67,7.06 11.53,7.06 10.67,7.92 C33.1 ; 12.67,7.06 13.92,7.06 ; 12.67,7.06 12.7,7.09 R68.2 ; R67.1 14.73,7.49 14.3,7.06 13.92,7.06
Net-(D11-A): length 5.3
  Top w0.381: D11.2 17.78,8.76 17.35,9.19 17.35,10.59 17.37,10.59 17.83,11.05 R17.2
Net-(D11-K): length 16
  Top w0.381: D11.1 21.72,4.57 J12.2
  Bottom w0.381: 21.54,7.29 21.59,7.24 J12.2 ; 21.54,7.29 21.79,7.29 22.35,7.85 R64.1 ; 21.54,7.29 20.32,7.29 ; C30.1 18.29,7.98 18.97,7.29 20.32,7.29 ; R66.2 20.32,7.29
Net-(D12A-KG): length 3.4
  Top w0.381: D12.2 23.18,49.24 v1(22.91,48.97)
  Bottom w0.381: v1(22.91,48.97) 22.73,49.15 R63.1
Net-(D12B-KY): length 3.4
  Top w0.381: 24.58,50.64 24.58,49.29 24.69,49.17 v1(24.69,48.95)
  Bottom w0.381: R62.1 24.76,49.3 24.69,49.23 v1(24.69,48.95)
Net-(D13-K): length 14.8
  Top w0.381: 20.19,34.09 20.45,34.34 R19.2
  Top w0.508: C1.1 20.51,37.36 22.15,37.36 22.36,37.57 U2.3
  Top w0.635: C1.1 20.19,32.28 20.95,31.52 D13.1
Net-(D14-A): length 5.4
  Top w0.381: R21.2 25.4,11.05 24.97,10.62 24.97,9.12 25.32,8.76 D14.2
Net-(D14-K): length 16.1
  Top w0.381: J13.2 29.34,4.57 D14.1
  Bottom w0.381: 27.99,7.26 29.21,7.26 ; 27.99,7.26 27.94,7.32 R58.2 ; 27.99,7.26 26.57,7.26 25.91,7.92 C27.1 ; 29.21,7.26 J13.2 ; 29.21,7.26 29.54,7.26 29.97,7.7 R57.1
Net-(D15-K): length 14.6
  Top w0.381: D15.3 34.67,30.61 34.98,30.3 34.98,29.59 v1(35.61,28.96) 36.45,28.96 ; 36.45,28.96 36.65,28.96 37.35,29.66 Q1.1 ; 36.45,28.96 36.45,28.17 36.83,27.79 R23.2
  Bottom w0.381: v1(35.61,28.96) 34.91,29.66 D24.1
Net-(D16-A): length 5.1
  Top w0.381: R22.2 33.15,11.05 32.64,10.54 32.64,9.27 33.15,8.76 D16.2
Net-(D16-K): length 16.2
  Top w0.381: D16.1 36.96,4.57 J14.2
  Bottom w0.381: 35.56,7.14 36.78,7.14 ; 35.56,7.14 R55.2 ; 35.56,7.14 34.32,7.14 33.53,7.92 C24.1 ; 36.78,7.14 37.08,7.14 37.59,7.65 R52.1 ; 36.78,7.14 36.83,7.09 J14.2
Net-(D17-A): length 3.8
  Top w0.381: 41.78,8.76 41.78,9.88 42.87,10.97 R28.2
Net-(D17-K): length 16.1
  Top w0.381: D17.1 44.58,4.57 J15.2
  Bottom w0.381: J15.2 44.45,7.21 44.4,7.26 ; C12.1 45.21,7.7 44.78,7.26 44.4,7.26 ; 44.4,7.26 43.18,7.26 ; R51.1 41.15,7.92 41.81,7.26 43.18,7.26 ; 43.18,7.26 R46.2
Net-(D18-K): length 33.7
  Top w0.381: v1(42.6,43.21) 42.58,43.19 D18.1
  Top w0.635: D18.1 42.58,39.73 42.09,39.24 U6.2 U6.2 31.29,39.24 30.71,38.66 v1(30.71,38.15)
  Bottom w0.381: 43.56,41.35 43.56,42.32 42.67,43.21 v1(42.6,43.21) ; 43.56,41.35 C22.1 ; 43.56,41.35 43.56,38.07 41.94,36.45 R53.2
  Bottom w0.635: TP3.1 30.71,38.13 v1(30.71,38.15)
Net-(D20-A): length 5.3
  Top w0.381: R32.2 44.9,25.89 45.42,25.37 46.79,25.37 47.19,25.78 D20.2
